# Altium PCB PCB-6P.PcbDoc
Units mm, origin at the board's own origin, x right, y up, seen from the top; angles counter-clockwise.
Board outline 98.68 x 98.93 mm, 2 copper layers (Top Layer, Bottom Layer); 83 components, 58 nets, 310 pads, 313 vias.
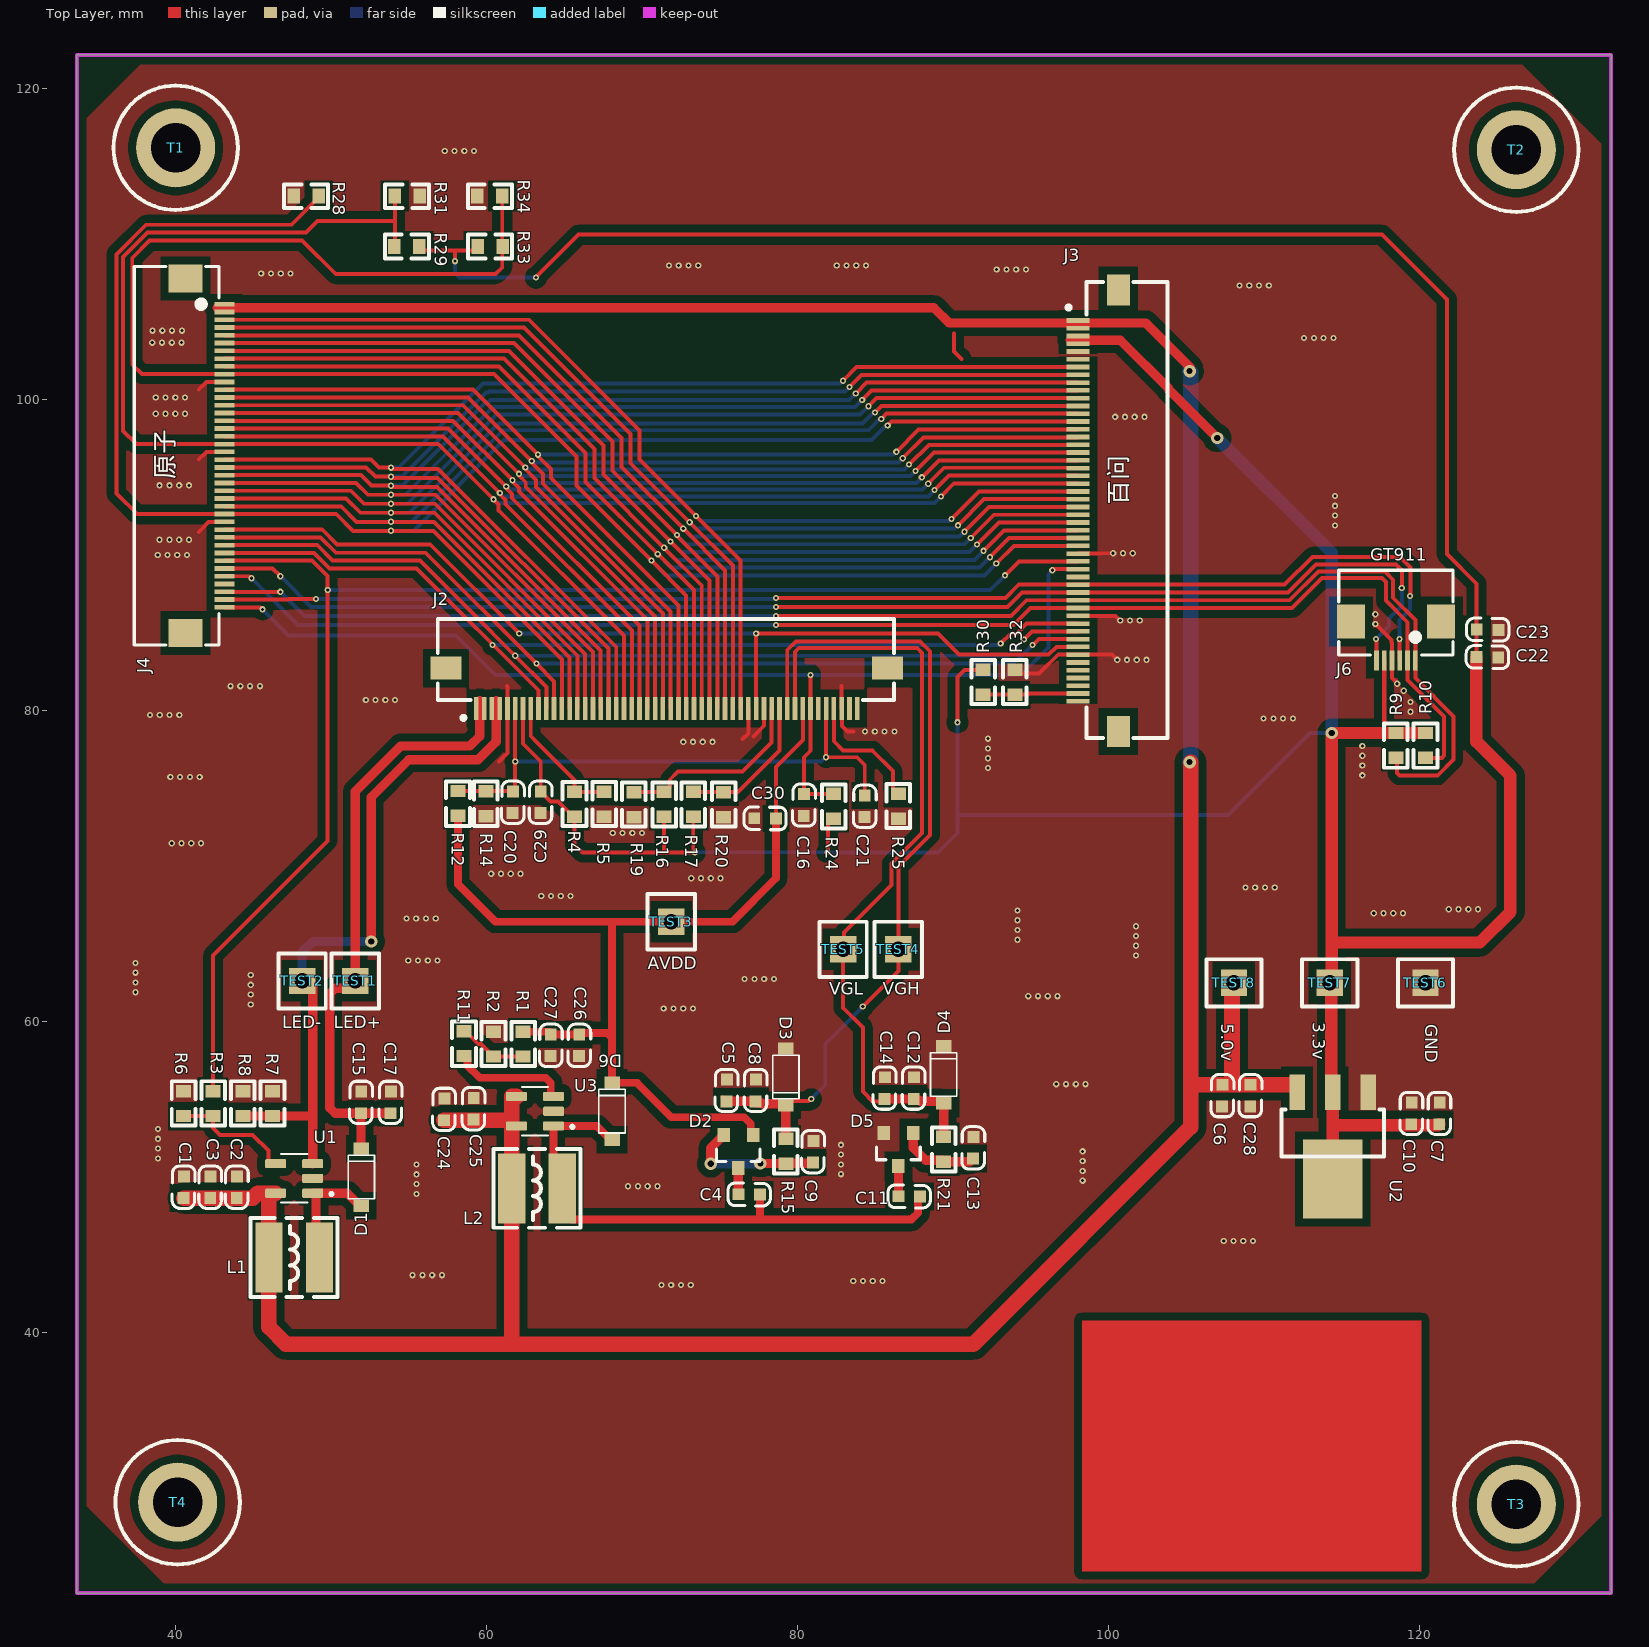
[diagram p0: Top Layer view]
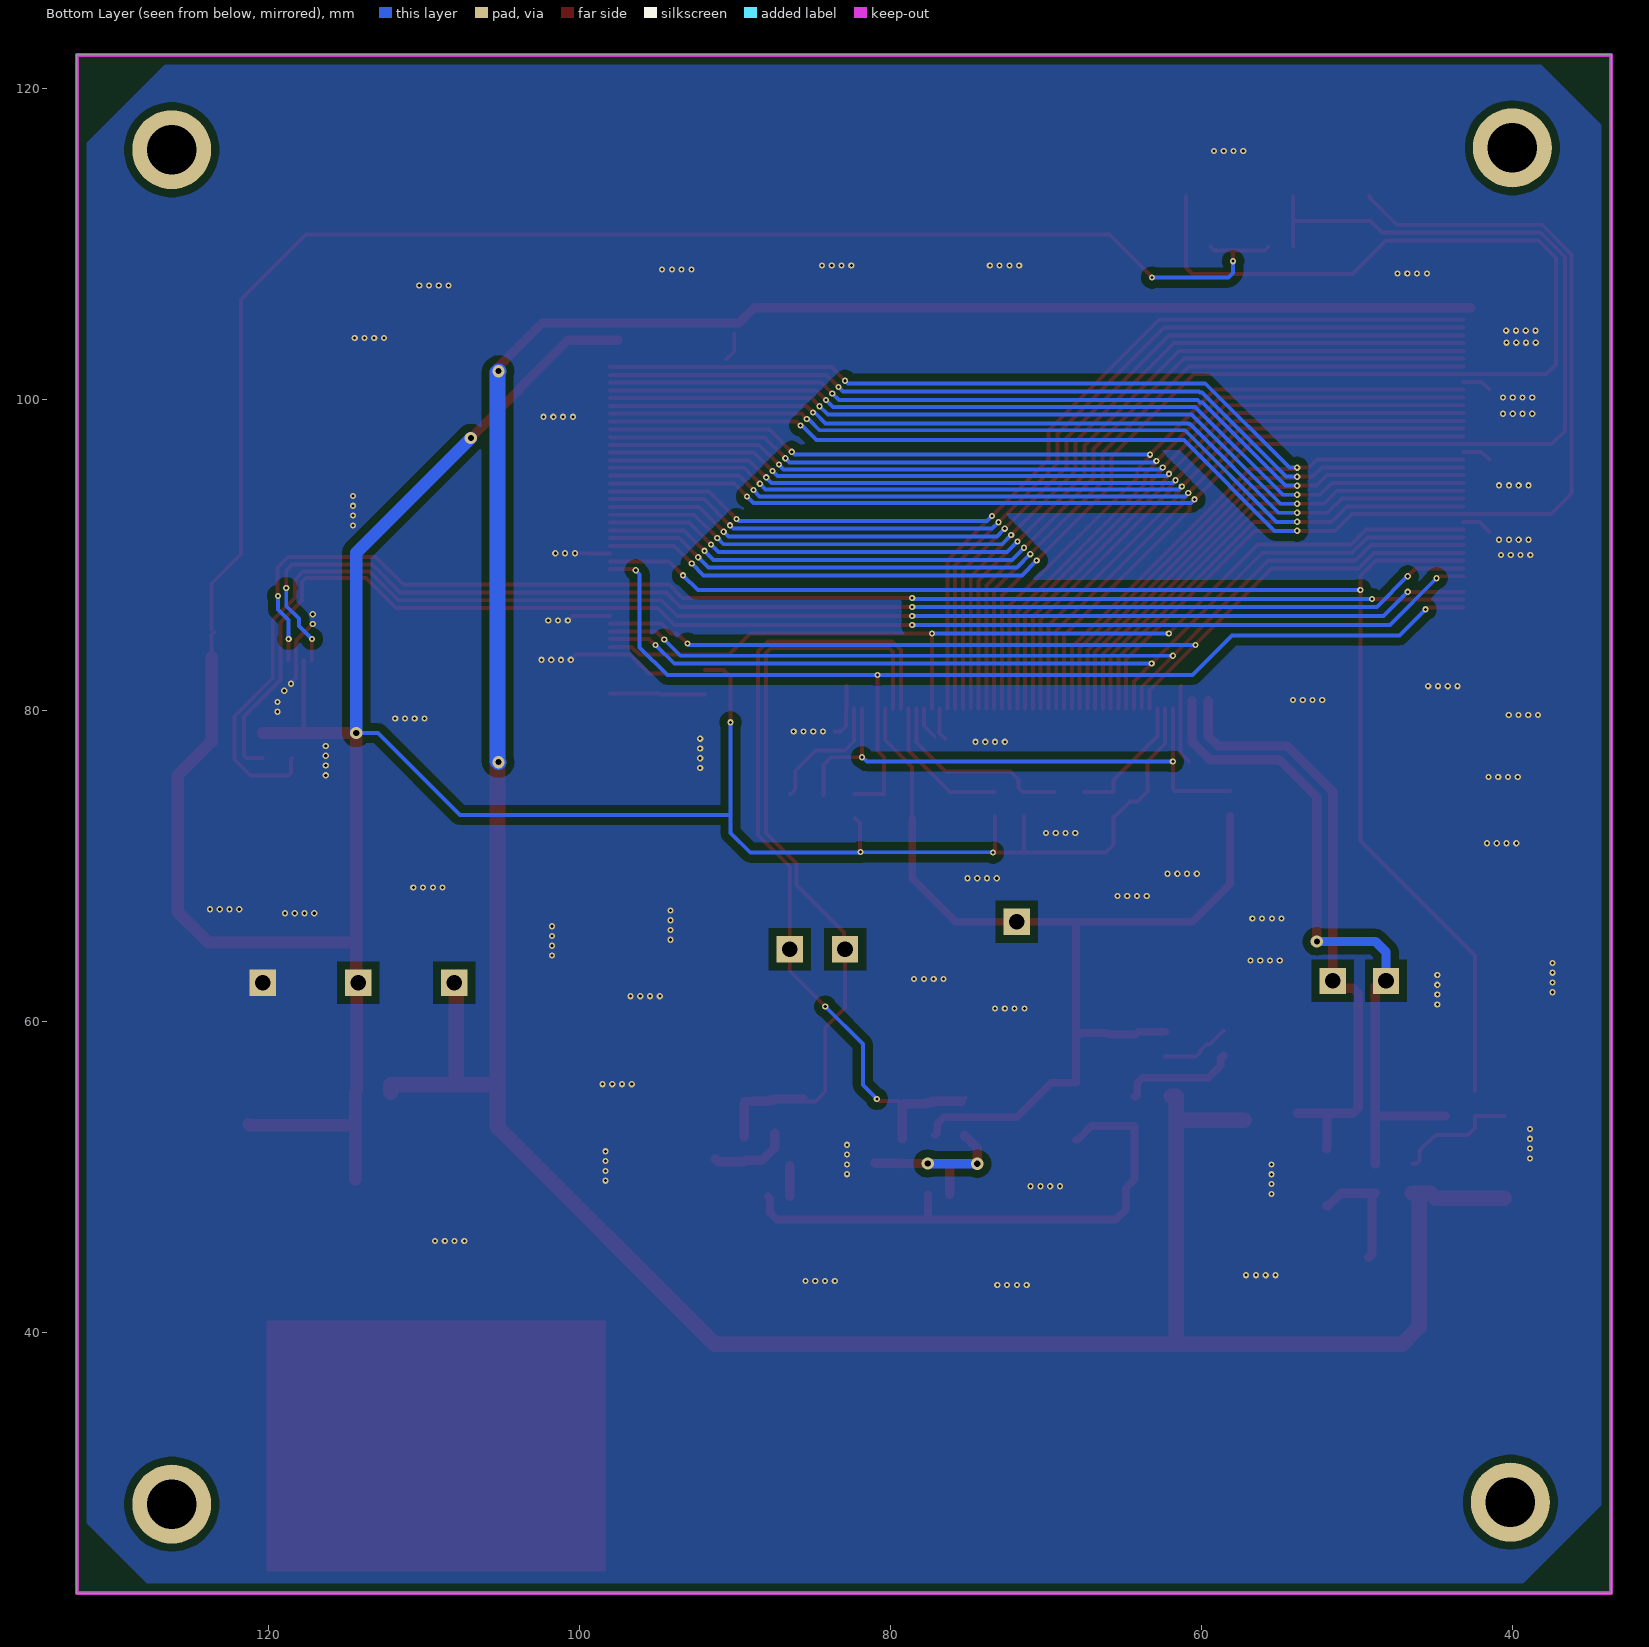
[diagram p1: Bottom Layer view, seen from below]
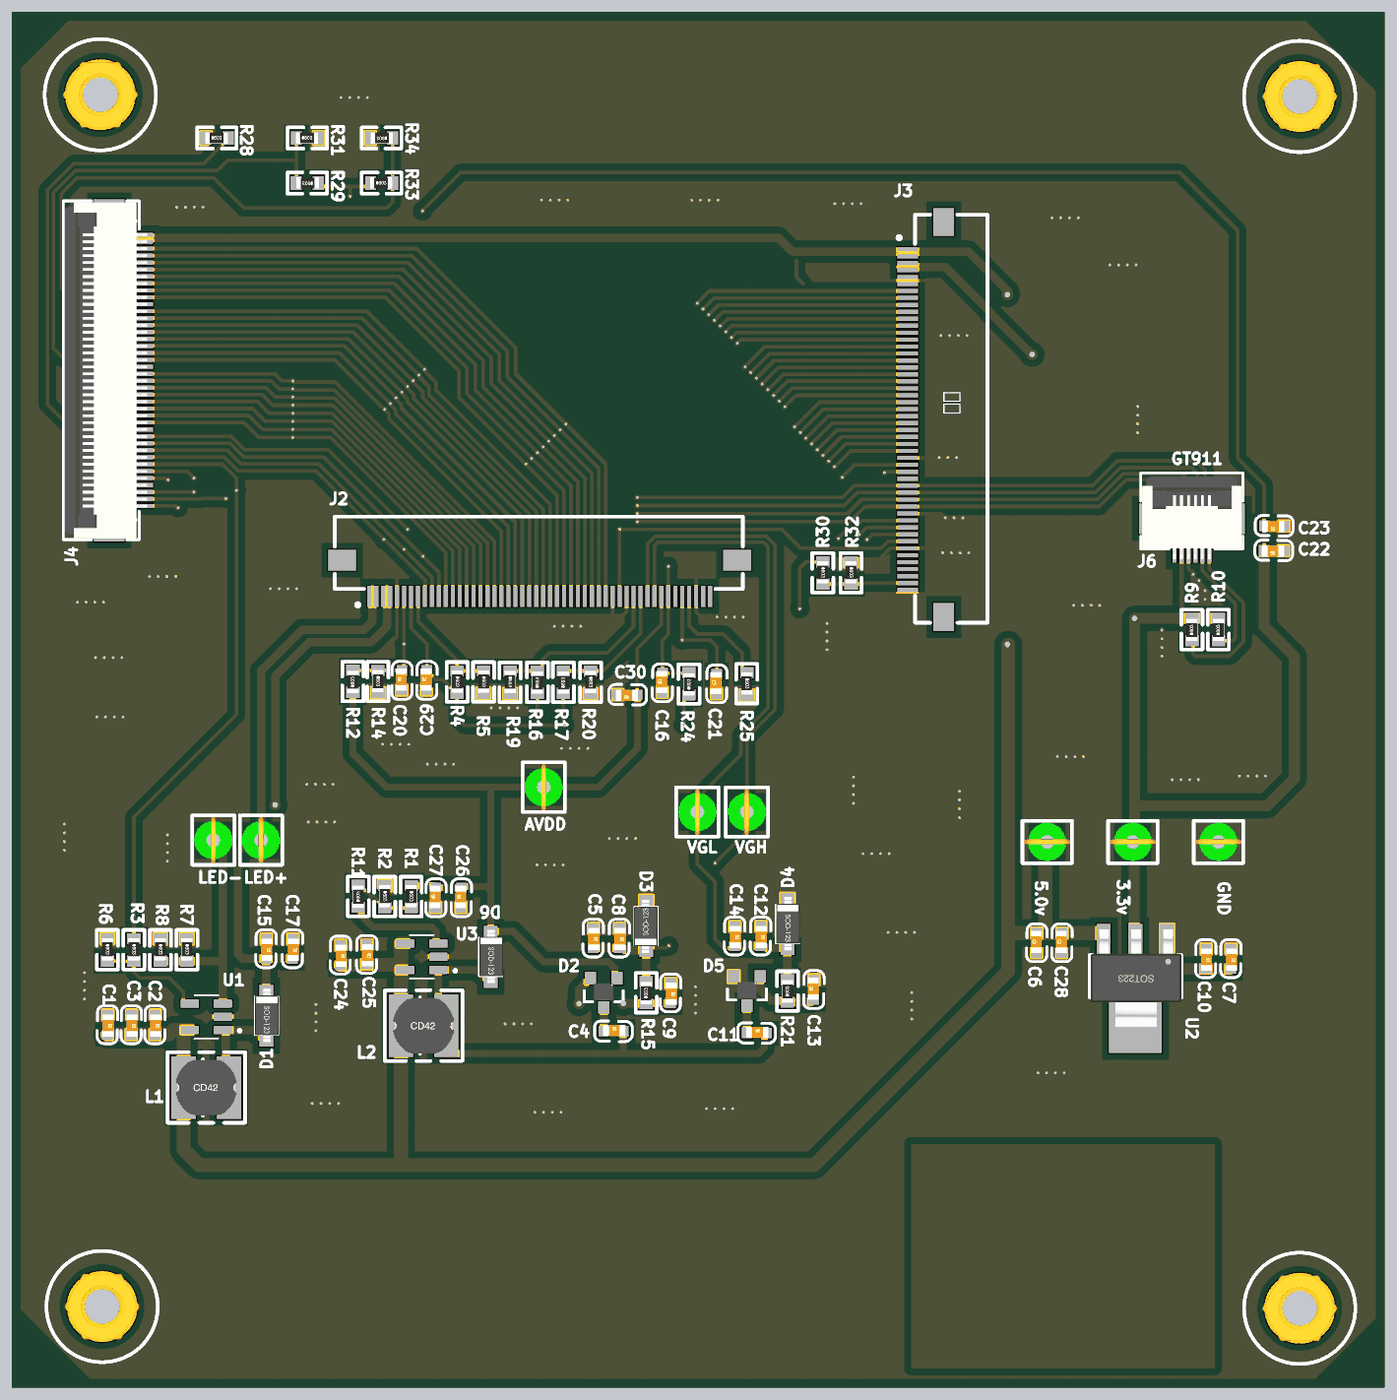
[diagram p2: 3D render of the assembled board from above, using the file's embedded part models]

## Layer stack, top to bottom
Top Solder: solder mask 0.0102, Solder Resist, Dk 3.5
Top Layer: signal copper 0.0356
Dielectric 1: dielectric 0.32, FR-4, Dk 4.8
Bottom Layer: signal copper 0.0356
Bottom Solder: solder mask 0.0102, Solder Resist, Dk 3.5

## Board outline
33.655,23.241 132.334,23.241 132.334,122.174 33.655,122.174

## Design rules (kind name [scope] priority, off if disabled: settings)
Clearance Clearance_1 [InPolygon] p1: gap=0.5 ignorepadtopadclearanceinfootprint=FALSE
Clearance [All] p2: gap=0.18 ignorepadtopadclearanceinfootprint=FALSE
HoleSize [All] p1: absolutevalues=TRUE maxlimit=10 minlimit=0.025 maxpercent=80.000 minpercent=20.000
PolygonConnect [All] p1: connectstyle=Direct reliefconductorwidth=0.254 reliefentries=4 polygonreliefangle="90 Angle" airgapwidth=0.254
RoutingVias [All] p1: holewidth=0.2 width=0.4 viastyle="Through Hole" minholewidth=0.1 minwidth=0.2 maxholewidth=1 maxwidth=1
SolderMaskExpansion [All] p1: expansion=0.102 istentingtop=FALSE
Width [All] p1: maxlimit=1 minlimit=0.254 preferedwidth=0.254 minimp=50.000000 maximp=50.000000 favimp=50.000000
29 further rules are at their usual default settings.

## Classes and differential pairs
polygon class pp: GND_L01_P000

## Components (designator, comment, footprint, x,y, rotation, side; value= is the part's Value field where it differs from the comment)
C1 "10u" 0603C 40.547,50.043 r270 top
C2 "10u" 0603C 43.967,50.043 r270 top
C3 "100n" 0603C 42.262,50.043 r270 top
C4 "100n" 0603C 76.195,48.904 r0 top
C5 "1u" 0603C 75.472,56.271 r270 top
C6 "10u" 0603C 107.306,54.53 r90 top
C7 "100n" 0603C 121.319,54.793 r270 top
C8 "100n" 0603C 77.346,56.271 r270 top
C9 "1u" 0603C 81.035,52.329 r270 top
C10 "10u" 0603C 119.517,54.793 r270 top
C11 "100n" 0603C 86.488,48.777 r0 top
C12 "1u" 0603C 87.509,56.419 r270 top
C13 "1u" 0603C 91.279,51.176 r90 top
C14 "100n" 0603C 85.639,56.419 r270 top
C15 "1u" 0603C 51.952,55.504 r270 top
C16 "100n" 0603C 80.391,73.224 r90 top
C17 "100n" 0603C 53.857,55.504 r270 top
C20 "100n" 0603C 61.661,73.402 r90 top
C21 "100n" 0603C 84.294,73.147 r90 top
C22 "10u" 0603C 125.077,83.414 r180 top
C23 "100n" 0603C 125.1,85.183 r180 top
C24 "10u" 0603C 57.298,55.055 r270 top
C25 "100n" 0603C 59.191,55.098 r270 top
C26 "100n" 0603C 65.931,57.77 r90 top
C27 "10u" 0603C 64.101,57.77 r90 top
C28 "100n" 0603C 109.112,54.53 r90 top
C29 "100n" 0603C 63.451,73.402 r90 top
C30 "100u" 0603C 78.618,73.041 r180 top
D1 "SS54" SOD-123 51.943,48.209 r90 top
D2 "BAV99" SOT23-3 76.2,51.689 r180 top
D3 "SS54" SOD-123 79.248,58.217 r270 top
D4 "SS54" SOD-123 89.408,54.808 r90 top
D5 "BAV99" SOT23-3 86.494,51.816 r180 top
D6 "SS54" SOD-123 68.072,52.451 r90 top
J2 "50PIN0.5后压" FPC-SMD_KH-FG0.5-H2.0-50PIN 71.593,81.437 r0 top
J3 "50PIN0.5后压" FPC-SMD_KH-FG0.5-H2.0-50PIN 99.344,92.849 r270 top
J4 "FPC0.5-40P" FPC0.5-40P 40.64,96.393 r270 top
J6 "FPC0.5-6P" FPC0.5-6P 118.491,85.725 r180 top
L1 "10uH" CD42 47.625,44.831 r0 top
L2 "10uH" CD42 63.246,49.276 r0 top
R1 "100k" 0603R 62.357,59.35 r270 top
R2 "15k" 0603R 60.452,59.35 r270 top
R3 "10k" 0603R 42.418,55.524 r270 top
R4 "0R" 0603R 65.659,74.778 r270 top
R5 "NC" 0603R 67.564,74.778 r270 top
R6 "47k" 0603R 40.513,55.524 r270 top
R7 "39R" 0603R 46.228,55.524 r270 top
R8 "39R" 0603R 44.323,55.524 r270 top
R9 "10k" 0603R 118.491,76.962 r90 top
R10 "10k" 0603R 120.396,76.962 r90 top
R11 "100k" 0603R 58.547,57.785 r90 top
R12 "10k" 0603R 58.166,73.228 r90 top
R14 "4.7k" 0603R 59.957,74.803 r270 top
R15 "1.2K" 0603R 79.248,50.851 r90 top
R16 "10k" 0603R 71.428,73.177 r90 top
R17 "NC" 0603R 73.297,73.177 r90 top
R19 "NC" 0603R 69.469,74.752 r270 top
R20 "10k" 0603R 75.257,74.752 r270 top
R21 "2K" 0603R 89.408,50.978 r90 top
R24 "10K" 0603R 82.332,73.05 r90 top
R25 "10k" 0603R 86.487,74.65 r270 top
R28 "10k" 0603R 47.6,113.093 r0 top
R29 "10k" 0603R 55.677,109.855 r180 top
R30 "NC" 0603R 91.948,82.626 r270 top
R31 "10k" 0603R 54.102,113.093 r0 top
R32 "10k" 0603R 93.98,82.626 r270 top
R33 "10k" 0603R 59.436,109.855 r0 top
R34 "10k" 0603R 61.011,113.093 r180 top
T1 "M3铜柱" "M3 单孔" 40.005,116.205 r0 top
T2 "M3铜柱" "M3 单孔" 126.238,116.078 r0 top
T3 "M3铜柱" "M3 单孔" 126.238,28.956 r0 top
T4 "M3铜柱" "M3 单孔" 40.132,29.083 r0 top
TEST1 "TEST" "TEST TP1.4_G" 51.562,62.611 r90 top
TEST2 "TEST" "TEST TP1.4_G" 48.133,62.611 r90 top
TEST3 "TEST" "TEST TP1.4_G" 71.882,66.421 r90 top
TEST4 "TEST" "TEST TP1.4_G" 86.487,64.643 r270 top
TEST5 "TEST" "TEST TP1.4_G" 82.931,64.643 r270 top
TEST6 "TEST" "TEST TP1.4_G" 120.396,62.484 r180 top
TEST7 "TEST" "TEST TP1.4_G" 114.236,62.484 r0 top
TEST8 "TEST" "TEST TP1.4_G" 108.077,62.484 r0 top
U1 "MP3302" SOT95P280X100-5N 47.625,49.911 r180 top
U2 "AMS1117" SOT223 114.427,55.448 r180 top
U3 "TPS61040" SOT95P280X100-5N 63.119,54.229 r180 top

## Footprints (in the part's own frame and the unit in brackets; to place one, negate y for a bottom-side part, rotate by r counter-clockwise, add the part's x,y. Pads: shape width x height; smd on the part's side, far side on the other; paste and mask are expansions set on the pad)
0603C [mil]
  rect 30x30 smd: 1(0.21,-0.35) 2(55.21,-1.35)
  silkscreen extent -26,-30 81,28, body extent -1,-15 62,17, height 12
0603R [mm]
  rect 0.8x0.965 smd: 1(0,0) 2(1.6,0)
  silkscreen extent -0.64,-0.76 2.21,0.76, body extent -0.04,-0.41 1.56,0.41, height 0.45
CD42 [mm] "4.5*4*2mm（长宽高）"
  rect 1.75x4.5 smd: 1(-1.625,0) 2(1.625,0)
  silkscreen extent -2.79,-2.54 2.79,2.54, body extent -2.21,-2 2.21,2, height 2.1
FPC0.5-6P [mm]
  rect 1.8x2.2 smd: 0(-2.9,0) 0(2.9,0)
  rect 0.3x1.3 smd: 1(-1.25,2.497) 2(-0.75,2.497) 3(-0.25,2.497) 4(0.25,2.497) 5(0.75,2.497) 6(1.25,2.497)
  silkscreen extent -3.67,-3.3 3.67,2.16, body extent -3.6,-3.05 3.6,2.95, height 2
FPC0.5-40P [mm]
  rect 1.8x2.2 smd: 0(-11.4,0) 0(11.4,0)
  rect 0.3x1.3 smd: 1(-9.75,2.497) 2(-9.25,2.497) 3(-8.75,2.497) 4(-8.25,2.497) 5(-7.75,2.497) 6(-7.25,2.497) 7(-6.75,2.497) 8(-6.25,2.497) 9(-5.75,2.497) 10(-5.25,2.497) 11(-4.75,2.497) 12(-4.25,2.497) 13(-3.75,2.497) 14(-3.25,2.497) 15(-2.75,2.497) 16(-2.25,2.497) 17(-1.75,2.497) 18(-1.25,2.497) 19(-0.75,2.497) 20(-0.25,2.497) 21(0.25,2.497) 22(0.75,2.497) 23(1.25,2.497) 24(1.75,2.497) 25(2.25,2.497) 26(2.75,2.497) 27(3.25,2.497) 28(3.75,2.497) 29(4.25,2.497) 30(4.75,2.497) 31(5.25,2.497) 32(5.75,2.497) 33(6.25,2.497) 34(6.75,2.497) 35(7.25,2.497) 36(7.75,2.497) 37(8.25,2.497) 38(8.75,2.497) 39(9.25,2.497) 40(9.75,2.497)
  silkscreen extent -12.17,-3.3 12.17,2.16, body extent -12.09,-3.23 12.11,2.77, height 2
FPC-SMD_KH-FG0.5-H2.0-50PIN [mm]
  rect 0.3x1.5 smd: 1(-12.25,-1.3) 2(-11.75,-1.3) 3(-11.25,-1.3) 4(-10.75,-1.3) 5(-10.25,-1.3) 6(-9.75,-1.3) 7(-9.25,-1.3) 8(-8.75,-1.3) 9(-8.25,-1.3) 10(-7.75,-1.3) 11(-7.25,-1.3) 12(-6.75,-1.3) 13(-6.25,-1.3) 14(-5.75,-1.3) 15(-5.25,-1.3) 16(-4.75,-1.3) 17(-4.25,-1.3) 18(-3.75,-1.3) 19(-3.25,-1.3) 20(-2.75,-1.3) 21(-2.25,-1.3) 22(-1.75,-1.3) 23(-1.25,-1.3) 24(-0.75,-1.3) 25(-0.25,-1.3) 26(0.25,-1.3) 27(0.75,-1.3) 28(1.25,-1.3) 29(1.75,-1.3) 30(2.25,-1.3) 31(2.75,-1.3) 32(3.25,-1.3) 33(3.75,-1.3) 34(4.25,-1.3) 35(4.75,-1.3) 36(5.25,-1.3) 37(5.75,-1.3) 38(6.25,-1.3) 39(6.75,-1.3) 40(7.25,-1.3) 41(7.75,-1.3) 42(8.25,-1.3) 43(8.75,-1.3) 44(9.25,-1.3) 45(9.75,-1.3) 46(10.25,-1.3) 47(10.75,-1.3) 48(11.25,-1.3) 49(11.75,-1.3) 50(12.25,-1.3)
  rect 2x1.5 smd: 51(14.2,1.3) 52(-14.2,1.3)
  silkscreen extent -14.73,-2.03 14.6,4.45
"M3 单孔" [mm] "M3铜柱，长：4mm"
  round 5.08 hole 3.175: 1(0,0)
  silkscreen extent -4,-4 4,4, body extent -2.7,-2.35 2.7,2.35, height 4.05
SOD-123 [mm] "塑封二极管"
  rect 0.8x1 smd: A(-0.051,0) K(3.607,0)
  silkscreen extent 0.38,-0.85 3.18,0.85, body extent -0.12,-0.89 3.73,0.81, height 1.43
SOT23-3 [mm]
  rect 0.8x0.9 smd: 1(-0.95,-1) 2(0.95,-1) 3(0,1.1)
  silkscreen extent -1.4,-0.1 1.4,0.7, body extent -0.7,-0.6 0.7,0.6, height 0.5
SOT95P280X100-5N [mm]
  rrect25% 1.34x0.59 smd: 1(-1.19,0.95) 2(-1.19,0) 3(-1.19,-0.95) 4(1.19,-0.95) 5(1.19,0.95)
  silkscreen extent -2.5,-1.56 0.85,1.56
SOT223 [mil]
  rect 40x90 smd: 1(-90,0) 2(0,0) 3(90,0)
  rect 150x200 smd: 2(0,220)
  silkscreen extent -130,43 130,163, body extent -130,-30 126,246, height 65
"TEST TP1.4_G" [mm] "绿色，测试环"
  rect 1.7x1.7 hole 1: 1(0,0)
  silkscreen extent -1.78,-1.52 1.78,1.52, body extent -1.67,-1.4 1.67,1.4, height 5.41

## Part data
C1 C2 C3 C4 C5 C6 C7 C8 C9 C10 C11 C12 C13 C14 C15 C16 C17 C20 C21 C22 C23 C24 C25 C26 C27 C28 C29 C30: library part CAP, "无极性电容"
D1 D3 D4 D6: library part "DIODE SCHOTTKY", "肖特基二极管"
D2 D5: "Two small signal silicon diodes connected anode to cathode.<br> Connections to all three nodes available.<br> DIO-10647", Package=None, Availability=Unavailable, MF="{'manufacturer': u'ON Semiconductor'}", MP=BAV99, Price=None
J2 J3: BOM_JLCPCB Part Class="Extended Part", BOM_Manufacturer=null, BOM_Manufacturer Part=50PIN0.5后压, BOM_Supplier=LCSC, BOM_Supplier Part=C9900011403, Contributor=LCSC, spicePre=C, spiceSymbolName=50PIN0.5后压
J4 J6: "贴片"
L1 L2: library part INDUCTOR, "INDUCTOR"
R1 R2 R3 R4 R5 R6 R7 R8 R9 R10 R11 R12 R14 R15 R16 R17 R19 R20 R21 R24 R25 R28 R29 R30 R31 R32 R33 R34: library part RES
TEST1 TEST2 TEST3 TEST4 TEST5 TEST6 TEST7 TEST8: "测试针", BOM名称=耳机插座, 学习资源=www.ooocke.com, 版权归属=源创客
U1: Package=None, Availability=Unavailable, MF="{'manufacturer': u'Texas Instruments'}", MP=TPS563201DDCR, Price=None
U2: "三端稳压芯片"
U3: library part MP1541, Package=None, Availability=Unavailable, MF="{'manufacturer': u'Texas Instruments'}", MP=TPS563201DDCR, Price=None

## Via types
v1: diameter 0.4, hole 0.2, Top Layer to Bottom Layer, tented both sides, 306 vias
v2: diameter 0.8, hole 0.4, Top Layer to Bottom Layer, tented both sides, 7 vias

## Nets (pads, with @x,y where several pads share a name; then routed paths per layer and width w, separated by ;. In a path a pad name is that pad's centre, name@x,y a point inside that pad or via, vN(x,y) a via of type N, cw(c..) or ccw(c..) an arc to the next point about the centre after c; other vN are vias at no path point)
AVDD: C26.2 C27.2 C30.1 D2.1 D6.K J2.43 R1.1 R12.1 TEST3.1 | length 65.8
  Top Layer w0.254: C30.1 78.613,76.367 80.343,78.097 J2.43
  Top Layer w0.5: R12.1 58.166,68.834 60.579,66.421 68.199,66.421 ; R1.1 64.048,59.35 64.226,59.173 C26.2 66.056,59.263 67.779,59.263 68.072,58.971 ; D2.1 77,52.839 77,53.429 76.581,53.848 71.882,53.848 69.672,56.058 D6.K 68.072,58.971 ; C30.1 78.613,69.215 75.819,66.421 68.199,66.421 ; 68.072,58.971 68.072,66.294 68.199,66.421
CTP-INT: J3.35 J4.39 J6.3 | length 84
  Top Layer w0.254: J4.39 45.547,87.143 45.554,87.136 47.256,87.136 47.296,87.176 v1(49.037,87.176) ; v1(78.613,87.249) 93.383,87.249 94.233,88.099 J3.35 111.34,88.099 113.133,89.892 118.745,89.892 119.434,89.203 119.434,87.404 v1(119.406,87.376) ; v1(118.716,84.605) 118.728,84.592 118.728,83.241 J6.3
  Bottom Layer w0.254: v1(49.037,87.176) 78.5,87.176 78.573,87.249 v1(78.613,87.249) ; v1(118.716,84.605) 118.716,85.823 119.406,86.513 v1(119.406,87.376)
CTP-RST: J3.36 J4.35 J6.6 | length 84.5
  Top Layer w0.254: J4.35 46.239,89.143 v1(46.736,88.646) ; v1(78.613,86.669) 93.51,86.669 94.44,87.599 J3.36 111.547,87.599 113.34,89.392 118.491,89.392 118.872,89.011 v1(118.872,87.884) ; v1(117.221,84.605) 117.231,84.595 117.231,83.238 J6.6
  Bottom Layer w0.254: v1(46.736,88.646) 48.713,86.669 v1(78.613,86.669) ; v1(117.221,84.605) 118.046,85.43 118.046,85.915 118.872,86.741 v1(118.872,87.884)
CTP-SCL: J3.37 J4.38 J6.1 R9.1 | length 95.5
  Top Layer w0.254: J4.38 v1(46.736,87.643) ; v1(78.613,86.089) 93.723,86.089 94.733,87.099 J3.37 111.661,87.099 113.52,88.958 117.782,88.958 118.32,88.42 118.32,87.262 119.741,85.841 J6.1 119.741,82.087 122.193,79.635 122.193,76.848 121.183,75.838 118.722,75.838 118.573,75.987 118.573,76.88 R9.1
  Bottom Layer w0.254: v1(46.736,87.643) 48.29,86.089 v1(78.613,86.089)
CTP-SDA: J3.38 J4.36 J6.2 R10.1 | length 91.3
  Top Layer w0.254: J4.36 44.71,88.643 44.837,88.516 v1(44.876,88.516) ; v1(78.613,85.509) 93.907,85.509 94.997,86.599 J3.38 111.817,86.599 113.742,88.524 117.602,88.524 117.856,88.27 117.856,87.07 119.241,85.685 J6.2 119.241,81.973 121.6,79.614 121.6,77.111 121.451,76.962 R10.1
  Bottom Layer w0.254: v1(44.876,88.516) 47.883,85.509 v1(78.613,85.509)
DISP: 
DITHB: J2.47 R25.1 | length 8.3
  Top Layer w0.254: J2.47 82.343,78.032 82.941,77.434 84.812,77.434 86.132,76.114 86.132,74.923 86.405,74.65 R25.1
GND: C1.1 C2.1 C3.1 C5.1 C6.1 C7.1 C8.1 C9.1 C10.1 C12.1 C13.2 C14.1 C15.1 C16.1 C17.1 C20.1 C21.1 C22.1 C23.1 C24.1 C25.1 C26.1 C27.1 C28.1 C29.1 C30.2 D3.A D4.K D5.2 J2.5 J2.36 J2.38 J2.48 J3.5 J3.6 J3.31 J3.39 J3.44 J3.50 J4.11 J4.20 J4.29 J6.4 R2.1 R5.2 R6.1 R7.1 R8.1 R14.2 R19.2 R20.2 R25.2 R28.1 R31.2 R32.1 R34.2 TEST6.1 U1.2 U2.1 U3.2 | length 34.7
  Top Layer w0.254: 41.487,91.504 42.126,92.143 J4.29 ; 41.487,96.143 41.987,96.643 J4.20 ; 41.487,100.643 41.987,101.143 J4.11 ; 60.798,76.727 61.343,77.272 J2.5 61.343,81.55 61.306,81.587 ; 76.47,78.169 76.843,78.542 J2.36 ; 77.16,78.343 77.843,79.026 J2.38 ; 82.843,81.587 J2.48 82.866,80.114 82.866,79.001 83.213,78.654 83.62,78.654 ; 94.56,82.375 95.55,82.375 96.774,83.599 J3.44 100.233,83.599 v1@100.579,83.253 ; J3.39 100.453,86.099 v1@100.776,85.776 ; J3.31 99.512,90.099 99.487,90.124 v1(100.306,90.124) ; v1(117.168,85.574) 118.209,84.533 118.209,84.395 118.241,84.362 118.241,82.101 118.573,81.768 v1(118.573,81.729)
  other v1: 71.247,43.053 71.876,43.053 72.504,43.053 73.133,43.053 83.585,43.307 84.214,43.307 84.842,43.307 85.471,43.307 55.245,43.688 55.874,43.688 56.502,43.688 57.131,43.688 107.416,45.886 108.045,45.886 108.674,45.886 109.302,45.886 55.499,48.914 69.107,49.403 69.736,49.403 70.364,49.403 70.993,49.403 55.499,49.543 98.344,49.766 55.499,50.171 82.804,50.184 98.344,50.395 55.499,50.8 82.804,50.813 98.344,51.023 38.862,51.2 82.804,51.441 98.344,51.652 38.862,51.829 82.804,52.07 38.862,52.457 38.862,53.086 96.647,55.972 97.276,55.972 97.904,55.972 98.533,55.972 71.393,60.833 72.022,60.833 72.65,60.833 73.279,60.833 44.831,61.106 94.843,61.634 95.472,61.634 96.101,61.634 96.729,61.634 44.831,61.735 37.419,61.886 44.831,62.363 37.419,62.515 76.6,62.738 77.229,62.738 77.857,62.738 78.486,62.738 44.831,62.992 37.419,63.143 37.419,63.772 54.965,63.92 55.594,63.92 56.223,63.92 56.851,63.92 101.773,64.244 101.773,64.873 94.153,65.26 101.773,65.501 94.153,65.889 101.773,66.13 94.153,66.517 54.846,66.629 55.475,66.629 56.103,66.629 56.732,66.629 117.068,66.968 117.697,66.968 118.326,66.968 118.954,66.968 94.153,67.146 121.894,67.222 122.523,67.222 123.152,67.222 123.78,67.222 63.519,68.072 64.148,68.072 64.776,68.072 65.405,68.072 108.813,68.619 109.442,68.619 110.071,68.619 110.699,68.619 73.171,69.215 73.8,69.215 74.428,69.215 75.057,69.215 60.299,69.508 60.928,69.508 61.557,69.508 62.185,69.508 39.751,71.466 40.38,71.466 41.008,71.466 41.637,71.466 68.12,72.123 68.749,72.123 69.377,72.123 70.006,72.123 39.661,75.738 40.29,75.738 40.918,75.738 41.547,75.738 116.332,75.838 92.248,76.309 116.332,76.467 92.248,76.938 116.332,77.095 92.248,77.566 116.332,77.724 72.65,77.993 73.279,77.993 73.908,77.993 74.536,77.993 92.248,78.195 84.347,78.654 84.976,78.654 85.604,78.654 86.233,78.654 109.982,79.502 110.611,79.502 111.239,79.502 111.868,79.502 38.354,79.721 38.983,79.721 39.611,79.721 40.24,79.721 119.433,79.926 119.433,80.555 52.234,80.691 52.863,80.691 53.491,80.691 54.12,80.691 118.999,81.28 43.535,81.573 44.164,81.573 44.793,81.573 45.421,81.573 100.566,83.266 101.195,83.266 101.823,83.266 102.452,83.266 100.761,85.791 101.39,85.791 102.018,85.791 117.168,86.202 38.849,90.008 39.478,90.008 40.106,90.008 40.735,90.008 100.934,90.124 101.563,90.124 38.971,90.993 39.6,90.993 40.228,90.993 40.857,90.993 114.584,91.914 114.584,92.543 114.584,93.171 114.584,93.8 38.971,94.493 39.6,94.493 40.228,94.493 40.857,94.493 100.434,98.898 101.063,98.898 101.691,98.898 102.32,98.898 38.723,99.095 39.352,99.095 39.981,99.095 40.609,99.095 38.723,100.143 39.352,100.143 39.981,100.143 40.609,100.143 38.5,103.667 39.129,103.667 39.757,103.667 40.386,103.667 112.587,103.961 113.216,103.961 113.845,103.961 114.473,103.961 38.518,104.44 39.147,104.44 39.775,104.44 40.404,104.44 108.432,107.354 109.061,107.354 109.69,107.354 110.318,107.354 45.503,108.123 46.132,108.123 46.76,108.123 47.389,108.123 92.811,108.37 93.44,108.37 94.069,108.37 94.697,108.37 71.729,108.624 72.358,108.624 72.987,108.624 73.615,108.624 82.524,108.624 83.153,108.624 83.782,108.624 84.41,108.624 57.314,115.997 57.943,115.997 58.571,115.997 59.2,115.997
LCD50V: C1.2 C2.2 C3.2 C6.2 C24.2 C25.2 C28.2 J3.1 J3.2 J4.1 J4.2 L1.1 L2.1 TEST8.1 U1.5 U2.3 U3.4 U3.5 | length 227.9
  Top Layer w0.6: 42.672,105.918 43.137,105.918 88.773,105.918 89.762,104.929 100.219,104.929 102.405,104.929 105.283,102.051 v2@105.283,101.838
  Top Layer w1: C1.2 C3.2 C2.2 44.958,48.641 45.278,48.961 U1.5@46,48.961 ; U1.5 U1.5@46,48.961 ; C24.2 61.578,53.653 61.621,53.696 ; U3.4 61.621,55.179 61.621,53.696 ; v2@105.283,76.671 105.283,55.932 ; TEST8.1 107.95,62.357 107.95,55.932 ; U2.3 112.141,55.924 112.133,55.932 C28.2 107.95,55.932 ; U1.5@46,48.961 L1.1 46,40.344 47.101,39.243 61.722,39.243 ; 61.621,53.696 61.621,53.279 L2.1 61.621,39.344 61.722,39.243 ; 61.722,39.243 91.313,39.243 105.283,53.213 105.283,55.932 ; 105.283,55.932 C6.2 107.95,55.932
  Bottom Layer w1: v2(105.221,76.692) 105.283,76.754 105.283,101.776 v2(105.221,101.838)
LCD-D0: J2.19 J3.7 J4.21 | length 81
  Top Layer w0.254: J4.21 52.574,96.143 53.09,95.627 v1(53.848,95.627) 53.921,95.554 56.888,95.554 68.343,84.099 J2.19 ; v1(82.931,101.219) 83.811,102.099 J3.7
  Bottom Layer w0.254: v1(53.848,95.627) 54.352,95.627 59.761,101.036 82.748,101.036 v1(82.931,101.219)
LCD-D1: J2.18 J3.8 J4.22 | length 80.3
  Top Layer w0.254: J4.22 52.254,95.643 52.85,95.047 v1(53.848,95.047) 53.921,94.974 56.854,94.974 67.843,83.985 J2.18 ; v1(83.341,100.809) 84.131,101.599 J3.8
  Bottom Layer w0.254: v1(53.848,95.047) 54.555,95.047 59.978,100.47 60.084,100.47 60.15,100.536 83.068,100.536 v1(83.341,100.809)
LCD-D2: J2.17 J3.9 J4.23 | length 79.6
  Top Layer w0.254: J4.23 51.934,95.143 52.61,94.467 v1(53.848,94.467) 53.921,94.394 56.82,94.394 67.343,83.871 J2.17 ; v1(83.751,100.399) 84.451,101.099 J3.9
  Bottom Layer w0.254: v1(53.848,94.467) 54.589,94.467 59.944,99.822 60.092,99.822 60.24,99.97 83.323,99.97 v1(83.751,100.399)
LCD-D3: J2.16 J3.10 J4.24 | length 78.8
  Top Layer w0.254: J4.24 51.613,94.643 52.369,93.887 v1(53.848,93.887) 56.714,93.887 66.843,83.758 J2.16 ; v1(84.161,99.989) 84.772,100.599 J3.10
  Bottom Layer w0.254: v1(53.848,93.887) 54.771,93.887 60.42,99.536 83.709,99.536 v1(84.161,99.989)
LCD-D4: J2.15 J3.11 J4.25 | length 78.1
  Top Layer w0.254: J4.25 51.293,94.143 52.129,93.307 v1(53.848,93.307) 56.68,93.307 66.343,83.644 J2.15 ; v1(84.571,99.579) 85.092,100.099 J3.11
  Bottom Layer w0.254: v1(53.848,93.307) 54.913,93.307 60.642,99.036 84.029,99.036 v1(84.571,99.579)
LCD-D5: J2.14 J3.12 J4.26 | length 77.3
  Top Layer w0.254: J4.26 50.973,93.643 51.889,92.727 v1(53.848,92.727) 56.646,92.727 65.843,83.53 J2.14 ; v1(84.982,99.168) 85.412,99.599 J3.12
  Bottom Layer w0.254: v1(53.848,92.727) 55.04,92.727 60.738,98.425 60.832,98.425 60.877,98.47 84.18,98.47 84.878,99.168 v1(84.982,99.168)
LCD-D6: J2.13 J3.13 J4.27 | length 76.6
  Top Layer w0.254: J4.27 50.653,93.143 51.649,92.147 v1(53.848,92.147) 56.612,92.147 65.343,83.416 J2.13 ; v1(85.392,98.758) 85.732,99.099 J3.13
  Bottom Layer w0.254: v1(53.848,92.147) 55.167,92.147 61.056,98.036 84.566,98.036 85.288,98.758 v1(85.392,98.758)
LCD-D7: J2.12 J3.14 J4.28 R28.2 | length 113.3
  Top Layer w0.254: R28.2 49.2,113.011 47.441,111.252 38.1,111.252 36.195,109.347 36.195,93.98 37.532,92.643 J4.28 50.332,92.643 51.408,91.567 v1(53.848,91.567) 56.578,91.567 64.843,83.302 J2.12 ; v1(85.802,98.348) 86.053,98.599 J3.14
  Bottom Layer w0.254: v1(53.848,91.567) 55.295,91.567 61.137,97.409 84.759,97.409 85.699,98.348 v1(85.802,98.348)
LCD-D8: J2.27 J3.15 J4.12 | length 77.4
  Top Layer w0.254: J4.12 59.135,100.643 63.343,96.434 63.343,96.331 64.135,95.539 64.135,94.973 72.343,86.765 J2.27 ; v1(86.36,96.647) 87.789,98.076 98.021,98.076 J3.15
  Bottom Layer w0.254: v1(63.315,96.462) 86.175,96.462 v1(86.36,96.647)
LCD-D9: J2.26 J3.16 J4.13 | length 76.9
  Top Layer w0.254: J4.13 58.814,100.143 v1(62.905,96.052) 62.933,96.024 62.933,95.921 63.627,95.227 63.627,94.592 71.843,86.376 J2.26 ; v1(86.77,96.237) 88.109,97.576 98.021,97.576 J3.16
  Bottom Layer w0.254: v1(62.905,96.052) 63.002,95.955 86.489,95.955 v1(86.77,96.237)
LCD-D10: J2.25 J3.17 J4.14 | length 76.4
  Top Layer w0.254: J4.14 58.494,99.643 62.523,95.614 62.523,95.511 63.193,94.841 63.193,94.391 71.343,86.241 J2.25 ; v1(87.18,95.827) 88.452,97.099 J3.17
  Bottom Layer w0.254: v1(62.495,95.642) 62.616,95.521 86.875,95.521 v1(87.18,95.827)
LCD-D11: J2.24 J3.18 J4.15 | length 75.9
  Top Layer w0.254: J4.15 58.174,99.143 62.113,95.204 62.113,95.101 62.523,94.691 62.523,94.371 70.843,86.051 J2.24 ; v1(87.59,95.417) 88.773,96.599 J3.18
  Bottom Layer w0.254: v1(62.085,95.232) 62.23,95.087 87.261,95.087 v1(87.59,95.417)
LCD-D12: J2.23 J3.19 J4.16 | length 75.4
  Top Layer w0.254: J4.16 57.854,98.643 61.703,94.794 61.703,94.691 62.085,94.309 62.085,94.102 70.343,85.844 J2.23 ; v1(88,95.007) 89.093,96.099 J3.19
  Bottom Layer w0.254: v1(61.675,94.822) 61.843,94.653 87.647,94.653 v1(88,95.007)
LCD-D13: J2.22 J3.20 J4.17 | length 75
  Top Layer w0.254: J4.17 57.534,98.143 61.293,94.384 61.293,94.281 61.651,93.922 61.651,93.659 69.843,85.467 J2.22 ; v1(88.411,94.596) 89.436,95.622 98.021,95.622 J3.20
  Bottom Layer w0.254: v1(61.265,94.412) 61.457,94.219 88.034,94.219 v1(88.411,94.596)
LCD-D14: J2.21 J3.21 J4.18 | length 74.4
  Top Layer w0.254: J4.18 57.213,97.643 60.883,93.974 60.883,93.87 61.217,93.536 61.217,93.273 69.343,85.147 J2.21 ; v1(88.821,94.186) 89.756,95.122 98.021,95.122 J3.21
  Bottom Layer w0.254: v1(60.855,94.002) 61.071,93.785 88.42,93.785 v1(88.821,94.186)
LCD-D15: J2.20 J3.22 J4.19 R29.2 R31.1 | length 113.7
  Top Layer w0.254: R29.2 54.102,109.88 54.102,111.487 ; R31.1 54.102,111.487 ; J2.20 68.843,84.827 60.783,92.887 60.783,93.253 v1(60.445,93.592) 60.439,93.586 60.401,93.586 60.401,93.635 56.893,97.143 J4.19 37.477,97.143 36.629,97.991 36.629,109.167 38.206,110.744 48.397,110.744 49.139,111.487 54.102,111.487 ; v1(89.231,93.776) 90.054,94.599 J3.22
  Bottom Layer w0.254: v1(60.445,93.592) 60.685,93.351 88.806,93.351 v1(89.231,93.776)
LCD-D16: J2.35 J3.23 J4.3 | length 75.7
  Top Layer w0.254: J4.3 62.73,105.143 69.85,98.023 69.85,96.151 v1(73.475,92.525) 76.343,89.658 J2.35 ; v1(89.916,92.329) 91.686,94.099 J3.23
  Bottom Layer w0.254: v1(73.475,92.525) 73.799,92.202 89.749,92.202 89.876,92.329 v1(89.916,92.329)
LCD-D17: J2.34 J3.24 J4.4 | length 75.3
  Top Layer w0.254: J4.4 62.41,104.643 69.27,97.783 69.27,95.91 v1(73.065,92.115) 75.843,89.337 J2.34 ; v1(90.326,91.919) 92.006,93.599 J3.24
  Bottom Layer w0.254: v1(73.065,92.115) 73.478,91.702 90.104,91.702 90.321,91.919 v1(90.326,91.919)
LCD-D18: J2.33 J3.25 J4.5 | length 74.8
  Top Layer w0.254: J4.5 62.089,104.143 68.69,97.542 68.69,95.67 v1(72.655,91.705) 75.343,89.017 J2.33 ; v1(90.736,91.509) 92.326,93.099 J3.25
  Bottom Layer w0.254: v1(72.655,91.705) 73.158,91.202 90.429,91.202 v1(90.736,91.509)
LCD-D19: J2.32 J3.26 J4.6 | length 74.4
  Top Layer w0.254: J4.6 61.769,103.643 68.11,97.302 68.11,95.43 v1(72.245,91.295) 72.245,91.238 74.843,88.64 J2.32 ; v1(91.146,91.099) 92.647,92.599 J3.26
  Bottom Layer w0.254: v1(72.245,91.295) 72.838,90.702 90.75,90.702 v1(91.146,91.099)
LCD-D20: J2.31 J3.27 J4.7 | length 73.9
  Top Layer w0.254: J4.7 61.449,103.143 67.53,97.062 67.53,95.19 v1(71.835,90.885) 74.343,88.377 J2.31 ; v1(91.556,90.689) 92.967,92.099 J3.27
  Bottom Layer w0.254: v1(71.835,90.885) 72.518,90.202 91.07,90.202 v1(91.556,90.689)
LCD-D21: J2.30 J3.28 J4.8 | length 73.5
  Top Layer w0.254: J4.8 61.129,102.643 66.95,96.822 66.95,94.949 v1(71.425,90.475) 73.843,88.056 J2.30 ; v1(91.967,90.278) 93.287,91.599 J3.28
  Bottom Layer w0.254: v1(71.425,90.475) 72.197,89.702 91.39,89.702 v1(91.967,90.278)
LCD-D22: J2.29 J3.29 J4.9 | length 73
  Top Layer w0.254: J4.9 60.809,102.143 66.37,96.582 66.37,94.709 v1(71.015,90.065) 71.024,90.065 73.343,87.745 J2.29 ; v1(92.377,89.868) 93.607,91.099 J3.29
  Bottom Layer w0.254: v1(71.015,90.065) 71.877,89.202 91.71,89.202 v1(92.377,89.868)
LCD-D23: J2.28 J3.30 J4.10 R33.2 R34.1 | length 115.6
  Top Layer w0.254: R34.1 61.011,109.855 61.011,108.509 60.579,108.077 50.302,108.077 48.143,110.236 38.333,110.236 37.211,109.114 37.211,102.257 37.825,101.643 J4.10 60.488,101.643 65.79,96.341 65.79,94.469 v1(70.605,89.655) 72.843,87.416 J2.28 ; v1(92.787,89.458) 93.928,90.599 J3.30
  Bottom Layer w0.254: v1(70.605,89.655) 71.557,88.702 92.031,88.702 v1(92.787,89.458)
LCD-DE: J2.9 J3.40 J4.33 | length 63.3
  Top Layer w0.254: J4.33 48.905,90.143 49.894,89.154 55.499,89.154 63.343,81.31 J2.9 ; v1(93.072,84.31) 93.73,84.968 94.112,84.968 94.743,85.599 J3.40
  Bottom Layer w0.254: v1(60.382,84.23) 92.952,84.23 93.032,84.31 v1(93.072,84.31)
LCD-HSYNC: J2.11 J3.42 J4.31 | length 62.3
  Top Layer w0.254: J4.31 49.319,91.143 50.308,90.154 56.075,90.154 v1(63.206,83.023) 64.343,81.886 J2.11 ; v1(95.123,84.23) 95.163,84.23 95.532,84.599 J3.42
  Bottom Layer w0.254: v1(63.206,83.023) 93.916,83.023 v1(95.123,84.23)
LCD-ID: J3.49 R30.2 R32.2 | length 6.1
  Top Layer w0.254: R30.2 R32.2 94.837,81.026 94.91,81.099 J3.49
LCD-LR: J2.39 R16.2 R19.1 | length 12.7
  Top Layer w0.254: R19.1 69.494,74.777 71.511,74.777 71.784,75.05 71.784,75.554 72.303,76.073 76.47,76.073 78.343,77.946 J2.39
LCD-PCLK: J2.37 J3.43 J4.30 | length 63.3
  Top Layer w0.254: J4.30 49.433,91.643 50.383,90.693 56.38,90.693 v1@62.106,84.966 ; J2.37 v1(77.343,84.963) 89.027,84.963 90.391,83.599 96.16,83.599 96.66,84.099 J3.43
  Bottom Layer w0.254: v1(62.103,84.963) v1(77.343,84.963)
LCD-PWM: J3.32 J4.34 R3.1 | length 92.3
  Top Layer w0.254: R3.1 42.418,64.262 49.784,71.628 v1(49.784,87.757) 49.784,88.646 48.787,89.643 J4.34 ; v1(93.345,88.702) 94.242,89.599 J3.32
  Bottom Layer w0.254: v1(49.784,87.757) 92.4,87.757 v1(93.345,88.702)
LCD-RESET: C16.2 J2.44 J3.33 J4.40 R24.2 | length 72
  Top Layer w0.254: J4.40 45.425,86.643 45.553,86.515 v1(45.593,86.515) ; v1(80.843,82.296) J2.44 80.843,77.418 80.425,77 C16.2 82.309,74.627 R24.2 ; v1(96.393,89.027) 96.433,89.027 96.505,89.099 J3.33
  Bottom Layer w0.254: v1(45.593,86.515) 47.272,84.836 58.039,84.836 60.579,82.296 v1(80.843,82.296) 94.361,82.296 96.139,84.074 96.139,88.773 v1(96.393,89.027)
LCD-UD: J2.40 R17.2 R20.1 | length 9.3
  Top Layer w0.254: R17.2 76.174,74.777 78.843,77.446 J2.40
LCD-VSYNC: J2.10 J3.41 J4.32 | length 62.7
  Top Layer w0.254: J4.32 49.112,90.643 50.101,89.654 55.719,89.654 58.93,86.444 v1(61.843,83.53) 63.843,81.53 J2.10 ; v1(94.56,84.582) 95.077,85.099 J3.41
  Bottom Layer w0.254: v1(61.843,83.53) 93.508,83.53 v1(94.56,84.582)
LED+: C15.2 C17.2 D1.K J2.1 J2.2 TEST1.1 | length 39.6
  Top Layer w0.6: D1.K 51.93,51.829 51.93,54.089 C15.2 ; C17.2 C15.2 ; 59.563,80.645 59.563,80.137 59.563,78.359 58.928,77.724 54.483,77.724 51.562,74.803 TEST1.1 51.089,62.138 50.262,62.138 49.911,61.786 49.911,54.453 50.262,54.102 C15.2
LED-: J2.3 J2.4 R7.2 R8.2 TEST2.1 U1.3 | length 44.7
  Top Layer w0.6: R8.2 R7.2 48.815,53.924 ; TEST2.1 48.464,62.611 48.815,62.26 48.815,53.924 ; U1.3 48.815,53.924 ; v2(52.578,65.151) 52.578,74.422 54.991,76.835 59.454,76.835 60.615,77.996 60.615,80.137 60.615,80.645
  Bottom Layer w0.6: TEST2.1 48.133,64.469 48.815,65.151 v2(52.578,65.151)
MODE: J2.8 R4.1 R5.1 | length 8.4
  Top Layer w0.254: J2.8 62.843,78.359 63.206,77.996 65.659,75.543 R4.1 R5.1
NetC4_1: C4.1 D2.3 | length 1.7
  Top Layer w0.6: C4.1 D2.3
NetC4_2: C4.2 C11.2 D6.A L2.2 U3.1 | length 35.8
  Top Layer w0.5: D6.A 67.972,52.4 67.093,53.279 U3.1 64.309,49.838 L2.2 64.871,47.901 65.496,47.276 77.616,47.276 ; C4.2 77.597,47.295 77.616,47.276 ; C11.2 87.76,48.612 87.76,47.698 87.337,47.276 77.616,47.276
NetC9_2: C9.2 D2.2 R15.1 | length 8.8
  Top Layer w0.6: v2(74.422,50.851) 74.422,51.861 75.1,52.539 75.15,52.539 75.25,52.639 D2.2 ; v2(77.616,50.87) 79.229,50.87 R15.1 79.286,50.889 80.963,50.889 C9.2
  Bottom Layer w0.6: v2(74.422,50.851) 74.431,50.861 77.606,50.861 v2(77.616,50.87)
NetC11_1: C11.1 D5.3 | length 1.9
  Top Layer w0.6: C11.1 D5.3
NetC13_1: C13.1 D5.1 R21.1 | length 5.2
  Top Layer w0.6: D5.1 87.444,51.882 88.248,51.078 89.308,51.078 R21.1 91.085,50.978 C13.1
NetD1_A: D1.A L1.2 U1.1 | length 7.7
  Top Layer w0.6: U1.1 U1.1@49.028,48.961 ; L1.2 49.033,45.049 49.033,48.956 U1.1@49.028,48.961 ; D1.A 51.843,48.158 51.04,48.961 U1.1@49.028,48.961
NetR1_2: R1.2 R2.2 R11.2 | length 4.5
  Top Layer w0.254: R11.2 58.629,59.385 59.467,58.547 59.656,58.547 60.097,58.106 60.097,58.023 60.37,57.75 R2.2 R1.2
NetR3_2: R3.2 R6.2 U1.4 | length 8
  Top Layer w0.254: R6.2 R3.2 42.418,53.149 42.862,52.705 44.958,52.705 45.966,51.697 45.966,51.029 46.134,50.861 U1.4
NetR11_1: R11.1 U3.3 | length 7.6
  Top Layer w0.5: R11.1 58.629,57.785 58.779,57.635 58.779,57.168 59.559,56.388 63.805,56.388 64.135,56.058 64.135,55.224 64.18,55.179 U3.3
VCOM: C20.2 C21.2 J2.6 J2.46 R12.2 R14.1 | length 36.8
  Top Layer w0.254: R12.2 59.957,74.828 61.671,74.828 C20.2 61.843,74.953 v1(61.843,76.727) J2.6 ; J2.46 v1(81.843,77) 83.843,77 84.328,76.515 C21.2
  Bottom Layer w0.254: v1(61.843,76.727) 81.53,76.727 81.804,77 v1(81.843,77)
VDD33: C7.2 C10.2 C22.2 C23.2 C29.2 J2.7 J3.3 J3.4 J6.5 R4.2 R9.2 R10.2 R16.1 R17.1 R24.1 R29.1 R30.1 R33.1 TEST7.1 U2.2 | length 287.9
  Top Layer w0.254: R29.1 55.931,109.601 57.966,109.601 ; v1(57.966,108.912) 57.966,109.601 ; R33.1 59.182,109.601 57.966,109.601 ; J2.7 62.343,77.869 63.486,76.727 C29.2 64.122,74.168 64.586,74.168 65.577,73.178 R4.2 65.659,71.374 66.167,70.866 71.428,70.866 ; v1@63.119,107.823 65.913,110.617 117.602,110.617 121.773,106.446 121.773,90.063 123.675,88.161 123.675,85.24 C23.2 ; R16.1 71.428,70.866 ; R17.1 v1@73.297,70.866 ; v1(73.406,70.866) v1@73.297,70.866 ; v1@81.828,70.866 v1@81.874,70.912 ; v1(81.93,70.912) v1@81.874,70.912 ; R24.1 82.25,73.05 81.977,72.777 81.977,71.015 v1@81.874,70.912 ; v1(90.297,79.248) 90.297,82.169 90.754,82.626 R30.1 ; C23.2@123.508,85.027 123.675,84.859 C22.2 ; 71.428,70.866 v1@73.297,70.866
  Top Layer w0.3: J6.5 117.741,78.562 R9.2
  Top Layer w0.6: 97.536,103.829 98.044,103.829 100.768,103.829 103.864,100.733 103.864,100.67 v2(106.998,97.536)
  Top Layer w0.8: TEST7.1 114.365,62.612 114.365,65.084 ; TEST7.1@114.332,62.484 114.332,55.543 114.427,55.448 114.427,53.34 ; U2.2@114.427,49.86 114.427,53.34 ; R10.2 R9.2 118.159,78.562 117.741,78.562 v2(114.365,78.562) 114.365,65.084 ; C7.2 121.234,53.34 114.427,53.34 ; C22.2 123.675,78.001 125.857,75.819 125.857,67.056 123.885,65.084 114.365,65.084
  Bottom Layer w0.254: v1(57.966,108.912) 57.966,108.15 58.264,107.852 v1(63.176,107.852) ; v1(73.406,70.866) 73.429,70.889 81.907,70.889 v1(81.93,70.912) ; v1@81.907,70.866 89.027,70.866 90.297,72.136 90.297,73.284 ; v1(90.297,79.248) 90.297,73.284 ; v2(114.365,78.562) 112.979,78.562 107.701,73.284 90.297,73.284
  Bottom Layer w0.8: v2(106.998,97.536) 114.365,90.169 v2(114.365,78.562)
VGH: C5.2 C8.2 D3.K J2.41 R15.2 TEST4.1 | length 53.5
  Top Layer w0.254: C5.2@75.184,55.123 C5.2 ; D3.K 79.521,54.883 80.711,54.883 80.844,55.016 v1(80.884,55.016) ; J2.41 79.343,83.894 79.904,84.455 87.884,84.455 88.519,83.82 88.519,72.009 86.487,69.977 TEST4.1 86.487,63.246 v1(84.201,60.96)
  Top Layer w0.6: C5.2 C8.2 77.392,54.788 77.666,54.788 77.744,54.71 D3.K@79.143,54.71 ; R15.2 D3.K
  Bottom Layer w0.254: v1(80.884,55.016) 81.788,55.921 81.788,58.547 v1(84.201,60.96)
VGL: C12.2 C14.2 D4.A J2.42 R21.2 TEST5.1 | length 50.7
  Top Layer w0.254: J2.42 79.843,83.78 80.084,84.021 87.704,84.021 88.011,83.714 88.011,72.115 86.053,70.157 86.053,68.781 82.997,65.725 TEST5.1@82.997,64.709 ; TEST5.1 82.931,60.886 84.201,59.616 84.201,55.499 84.836,54.864 85.452,54.864 C14.2 ; D4.A@89.308,54.858 D4.A@89.481,55.031
  Top Layer w0.6: C14.2 C12.2 87.556,54.935 87.836,54.935 87.907,54.864 88.857,54.864 88.863,54.858 D4.A@89.308,54.858 ; R21.2 D4.A
pads on no net: J2.45 J2.49 J2.50 J2.51 J2.52 J3.34 J3.45 J3.46 J3.47 J3.48 J3.51 J3.52 J4.0 J4.37 J6.0 T1.1 T2.1 T3.1 T4.1
copper on no net: | length 1.9
  Top Layer w0.254: 90.055,104.267 90.055,103.112 90.551,102.616

## Polygon pours and split planes (outlines as drawn)
GND on Top Layer "GND_L01_P000" (solid, remove dead copper, pour order 0): 126.365,121.793 132.334,115.824 132.334,28.829 126.238,22.733 40.386,22.733 33.909,29.21 33.909,117.729 37.973,121.793
GND on Bottom Layer "GND_L02_P001" (solid, remove dead copper, pour order 1): 126.619,121.602 132.588,115.633 132.588,28.639 126.492,22.543 40.64,22.543 34.163,29.019 34.163,117.538 38.227,121.602

## Keep-outs
Keep-Out Layer:
  the board outline again, w0.254

## Other copper
Top Layer:
  rectangle net LCD50V: 98.298,24.638 120.142,40.767

## Silkscreen, mask and mechanical layers (free items; w line width, h text height)
Top Overlay:
  text "原子" at 40.259,94.869 h2 r90
  text "百问" at 101.6,93.218 h2 r90
  text "GT911" at 116.84,89.655 h0.8
  text "AVDD" at 70.358,63.373 h0.8
  text "VGL" at 82.042,61.722 h0.8
  text "VGH" at 85.471,61.722 h0.8
  text "3.3v" at 113.157,59.944 h0.8 r270
  text "5.0v" at 107.257,59.87 h0.8 r270
  text "GND" at 120.396,59.817 h0.8 r270
  text "LED-" at 46.863,59.563 h0.8
  text "LED+" at 50.165,59.563 h0.8